# KiCad board omodri_laas.kicad_pcb (continued)
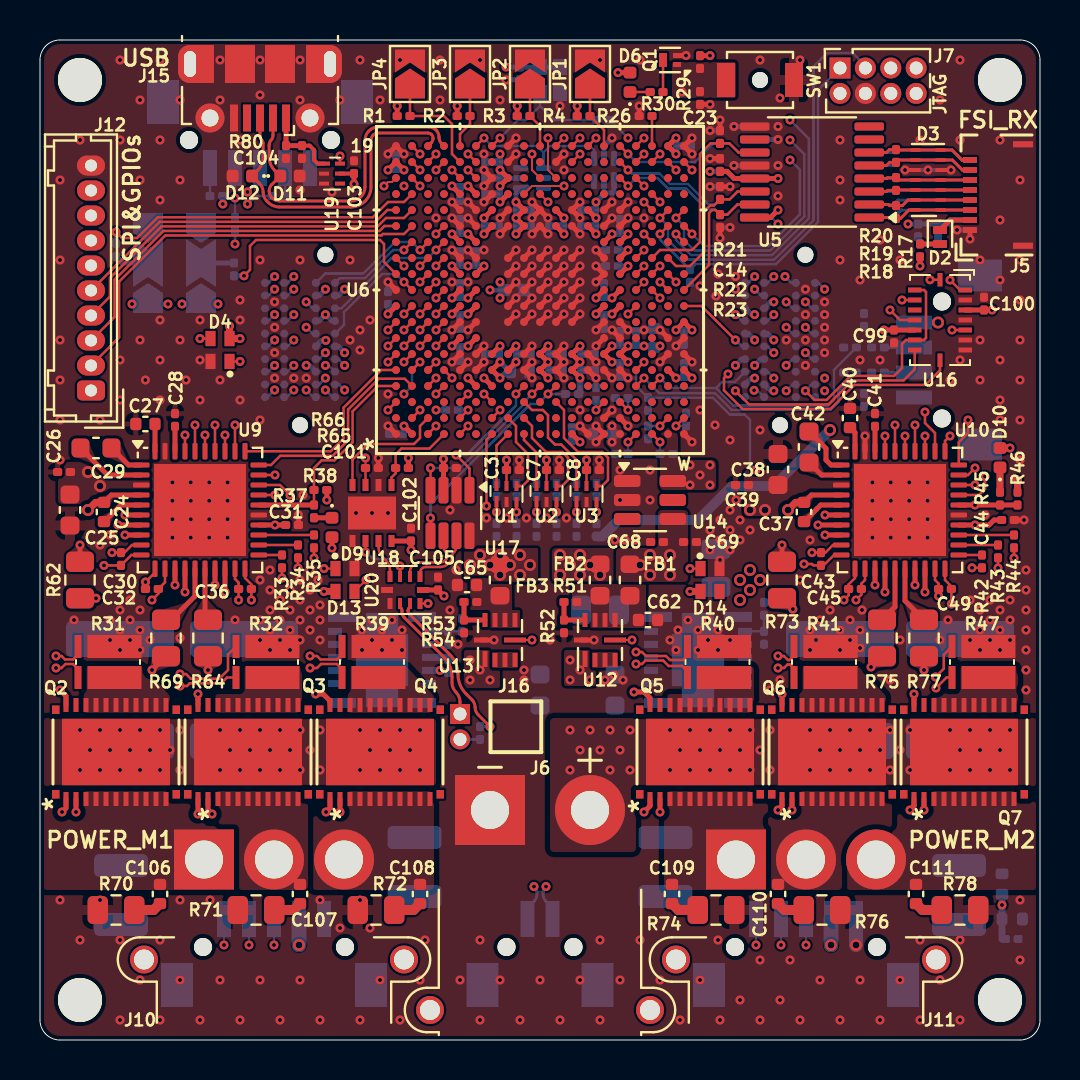
[diagram p0: board, top side]
## Routing (per net, layer and track width the routed paths; a pad name or vN(x,y) marks a point on that pad's centre or on a via; arc(x,y) is an arc through that point) (continued)
/JTAG + CLOCK + RESET/TDI: length 22.8
  Top w0.125: U6.W13 v1(31.8,40.3)
  In4_sigCu w0.125: v1(37.5,46) 38.9,47.4 38.9,48.9 39.35,49.35 43.06,49.35 J7.7
  Bottom w0.125: v1(37.5,46) 38.45,45.05 38.45,41.09 36.61,39.25 32.55,39.25 31.8,40 v1(31.8,40.3)
/JTAG + CLOCK + RESET/TDO: length 20.2
  Top w0.125: U6.W15 v1(31.8,41.1)
  In4_sigCu w0.125: J7.8 42.73,46.25 38.75,46.25 v1(37.5,45)
  Bottom w0.125: v1(37.5,45) 38.22,44.28 38.22,41.18 36.51,39.47 32.73,39.47 32.2,40 32.2,40.7 v1(31.8,41.1)
/JTAG + CLOCK + RESET/TMS: length 19.4
  Top w0.125: U6.W14 v1(32.6,40.3)
  In2_sig.Cu w0.125: v1(37.5,44) 38.9,45.4 38.9,48.9 39.35,49.35 41.79,49.35 J7.5
  Bottom w0.125: v1(37.5,44) 37.99,43.51 37.99,41.28 36.42,39.7 33.2,39.7 v1(32.6,40.3)
/JTAG + CLOCK + RESET/~{TRSTn}: length 18.5
  Top w0.125: U6.V14 v1(31,40.3)
  Bottom w0.125: J7.1 38.9,47.5 38.9,40.9 36.79,38.79 32.77,38.79 R28.1 31,40.02 v1(31,40.3)
/JTAG + CLOCK + RESET/~{XRSn}: length 19
  Top w0.125: U6.F19 v1(22.2,45.1)
  In4_sigCu w0.125: v1(22.2,45.1) 22.9,45.8 31.2,45.8 32.1,46.7 v1(32.1,47.4)
  Bottom w0.125: 25.17,44.38 25.5,44.7 27.5,44.7 27.7,44.5 U7.4 ; 25.17,44.38 24.85,44.7 22.6,44.7 v1(22.2,45.1) ; 25.17,44.38 U8.4
/OMODRI_CAN_RS485/CAN_FD_N: length 3.6
  Top w0.125: U20.2 18.5,23.4 arc(18.54,23.59) 18.64,23.74 arc(18.79,23.84) 18.97,23.88 20,23.88 arc(20.14,23.91) 20.27,23.99 20.29,24.02 arc(20.35,24.1) 20.38,24.21 arc(20.35,24.32) 20.29,24.41 20.28,24.42 arc(20.2,24.54) 20.17,24.67 U17.6
/OMODRI_CAN_RS485/CAN_FD_P: length 3.3
  Top w0.125: U20.1 19,23.35 arc(19.02,23.47) 19.09,23.56 arc(19.18,23.63) 19.3,23.65 20,23.65 arc(20.23,23.7) 20.43,23.83 20.5,23.9 arc(20.57,24.01) 20.6,24.15 arc(20.63,24.29) 20.71,24.41 20.71,24.41 arc(20.8,24.54) 20.83,24.68 U17.7
/OMODRI_CAN_RS485/CAN_FD_RX: length 8.1
  Top w0.125: 19.53,27.75 v1(19.53,28.6) ; U6.K4 v1(24.6,32.3)
  Bottom w0.125: v1(24.6,32.3) 24.3,32 24.3,31.9 21,28.6 v1(19.53,28.6)
/OMODRI_CAN_RS485/CAN_FD_SHDN: length 11.2
  Top w0.125: U6.L4 v1(25.4,32.3) ; U17.5 v1(19.53,26.1)
  Bottom w0.125: v1(19.53,26.1) 19.53,26.8 24.53,31.81 24.91,31.81 v1(25.4,32.3) R61.2
/OMODRI_CAN_RS485/CAN_FD_TX: length 6.9
  Top w0.125: v1(20.8,29.25) 21.47,28.58 21.47,27.75 ; U6.J4 v1(23.8,32.3)
  Bottom w0.125: v1(20.8,29.25) 21.33,29.25 23.8,31.72 v1(23.8,32.3)
/OMODRI_CAN_RS485/CAN_RS485_N: length 21.3
  Top w0.15: J16.1 21,16.91 arc(20.95,17.17) 20.8,17.39 arc(20.65,17.61) 20.6,17.87 20.6,18.16 arc(20.49,18.69) 20.19,19.14 18.21,21.13 arc(18.13,21.25) 18.1,21.39 18.1,21.48 arc(18.09,21.54) 18.05,21.6 arc(18.01,21.66) 18,21.72 U20.7
  In4_sigCu w0.15: v1(25.3,7.67) 25.15,7.82 ; v1(25.3,7.67) 25.22,7.75 arc(25.17,7.83) 25.15,7.93 25.15,14.96 arc(25.02,15.61) 24.66,16.16 arc(24.11,16.52) 23.46,16.65 22.59,16.65 arc(22.36,16.6) 22.16,16.47 arc(21.97,16.35) 21.74,16.3 J16.1 ; v1(25.3,7.67) 25.2,7.77
  Bottom w0.15: J13.2 25.62,6.33 arc(25.57,6.58) 25.43,6.79 25.31,6.92 arc(25.19,7.09) 25.15,7.3 25.15,7.42 arc(25.17,7.51) 25.22,7.6 v1(25.3,7.67)
/OMODRI_CAN_RS485/CAN_RS485_P: length 21.7
  Top w0.15: v1(22.5,15.67) 21.91,16.26 arc(21.8,16.43) 21.76,16.64 arc(21.72,16.84) 21.6,17.01 21.31,17.31 arc(21.01,17.76) 20.9,18.29 arc(20.79,18.82) 20.49,19.27 18.47,21.3 arc(18.42,21.37) 18.4,21.46 18.4,21.48 arc(18.41,21.54) 18.45,21.6 arc(18.49,21.66) 18.5,21.72 U20.8
  In4_sigCu w0.15: v1(24.7,7.67) 24.85,7.82 ; v1(24.7,7.67) 24.77,7.75 arc(24.83,7.83) 24.85,7.93 24.85,14.96 arc(24.74,15.49) 24.44,15.94 arc(23.99,16.24) 23.46,16.35 22.58,16.35 arc(22.47,16.33) 22.38,16.27 arc(22.32,16.18) 22.3,16.07 22.3,16.01 arc(22.33,15.88) 22.4,15.77 v1(22.5,15.67) ; v1(24.7,7.67) 24.8,7.77
  Bottom w0.15: J13.1 24.38,6.33 arc(24.43,6.58) 24.57,6.79 24.69,6.92 arc(24.81,7.09) 24.85,7.3 24.85,7.42 arc(24.83,7.51) 24.77,7.6 v1(24.7,7.67) ; R63.1 v1(22.5,15.67)
/OMODRI_CAN_RS485/CAN_RS485_SEL: length 10.2
  Top w0.125: U6.G1 22.33,30.03 v1(22.33,26.7) ; v1(19.4,21.83) U20.9
  In2_sig.Cu w0.125: v1(19.4,21.83) 19.4,23.78 v1(22.33,26.7)
/OMODRI_CAN_RS485/RS485_N: length 2
  Top w0.125: U20.4 17.5,23.47 arc(17.44,23.75) 17.29,23.99 17.14,24.14 arc(16.98,24.37) 16.92,24.65 U18.7
/OMODRI_CAN_RS485/RS485_P: length 3
  Top w0.125: v1(18,23.7) U20.3 ; v1(16.28,24.4) 16.28,24.95
  Bottom w0.125: v1(18,23.7) 17.83,23.88 arc(17.63,24) 17.4,24.05 16.87,24.05 arc(16.64,24.1) 16.45,24.22 v1(16.28,24.4)
/OMODRI_CAN_RS485/SCI_RX: length 4.5
  Top w0.125: U6.D1 19.47,29.57 18.07,29.57 17.78,29.28 R65.1 17.78,28.33 17.58,28.12 17.58,27.75
/OMODRI_CAN_RS485/SCI_TX: length 6.3
  Top w0.125: U18.4 15.62,29.03 16.4,29.8 18.7,29.8 19,30.1 19,30.7 U6.C2
/OMODRI_CAN_RS485/SCI_TX_EN: length 4.8
  Top w0.102: R66.2 v1(16.28,29.1)
  Top w0.125: U6.A3 v1(17.4,31.5) ; 16.28,27.75 R66.2
  In2_sig.Cu w0.102: v1(16.28,29.1) 16.28,30.38 v1(17.4,31.5)
/OMODRI_COM_SPI_USB/COM_SIMO: length 1.4
  Bottom w0.125: R68.1 J14.5
/OMODRI_COM_SPI_USB/COM_SOMI: length 1.5
  Bottom w0.125: R67.1 12.25,43.7
/OMODRI_COM_SPI_USB/COM_SPI_CLK: length 24.6
  Top w0.102: U6.K16 v1(25.4,41.9)
  In2_sig.Cu w0.102: v1(10.38,42.4) 11.27,43.29 15.31,43.29 17.82,45.8 25.6,45.8 25.8,45.6 25.8,44.9 25.6,44.7 24.4,44.7 24.2,44.5 24.2,43.1 v1(25.4,41.9)
  Bottom w0.125: 11,43.7 11,43.02 v1(10.38,42.4)
/OMODRI_COM_SPI_USB/COM_SPI_SIMO: length 26.9
  Top w0.102: v1(26.2,42.7) 24.6,42.7 U6.J16
  In2_sig.Cu w0.102: v1(26.2,42.7) 27.4,43.9 27.4,45.7 26.89,46.21 17.65,46.21 15.14,43.7 10.3,43.7 9.14,42.54 v1(9.14,41.8)
  Bottom w0.125: 9.14,42.35 v1(9.14,41.8)
/OMODRI_COM_SPI_USB/COM_SPI_SOMI: length 20.4
  Top w0.102: v1(25.4,45.1) 25.4,43.5 U6.L17
  In2_sig.Cu w0.102: v1(10.38,41.8) 11.66,43.09 15.4,43.09 17.91,45.6 24.9,45.6 v1(25.4,45.1)
  Bottom w0.125: R67.2 10.78,42.2 v1(10.38,41.8)
/OMODRI_COM_SPI_USB/USB_GPIO_DETECT: length 5.2
  Top w0.125: U6.B19 v1(19,44.3) ; U19.6 v1(15,44.2)
  In4_sigCu w0.102: v1(19,44.3) 18.6,43.9 16.98,43.9 16.68,44.2 v1(15,44.2)
/OMODRI_COM_SPI_USB/USB_N: length 16.8
  Top w0.15: J15.2 11.65,45.22 arc(11.62,45.1) 11.55,44.99 arc(11.48,44.88) 11.46,44.76 11.46,44.15 arc(11.53,43.79) 11.74,43.48 D11.1 11.59,42.78 arc(11.49,42.63) 11.46,42.45 arc(11.49,42.27) 11.59,42.12 11.61,42.1 arc(11.78,41.99) 11.98,41.95 15.55,41.95 arc(15.82,42) 16.04,42.16 arc(16.2,42.38) 16.25,42.65 16.25,44.99 arc(16.3,45.24) 16.44,45.46 arc(16.66,45.6) 16.91,45.65 19.44,45.65 arc(19.63,45.61) 19.8,45.5 19.81,45.49 arc(19.91,45.33) 19.95,45.15 19.95,45.13 arc(19.98,44.96) 20.08,44.83 U6.D19
/OMODRI_COM_SPI_USB/USB_P: length 16.8
  Top w0.15: U6.C19 19.56,44.86 arc(19.63,44.96) 19.65,45.08 19.65,45.1 arc(19.63,45.19) 19.58,45.27 arc(19.5,45.33) 19.4,45.35 16.84,45.35 arc(16.74,45.31) 16.66,45.24 arc(16.58,45.13) 16.55,44.99 16.55,42.65 arc(16.47,42.27) 16.26,41.94 arc(15.93,41.73) 15.55,41.65 11.98,41.65 arc(11.66,41.71) 11.4,41.89 11.34,41.95 arc(11.2,42.15) 11.16,42.39 arc(11.11,42.62) 10.98,42.82 D12.1 10.88,43.48 arc(11.09,43.79) 11.16,44.15 11.16,44.82 arc(11.14,44.92) 11.08,45.01 arc(11.02,45.1) 11,45.2 J15.3
/OMODRI_COM_SPI_USB/~{COM_SPI_CSn}: length 26.7
  Top w0.102: U6.K17 24.6,43.5 v1(24.6,44.3)
  In2_sig.Cu w0.102: v1(24.6,44.3) 25,43.9 26.4,43.9 26.6,44.1 26.6,45.7 26.29,46.01 17.74,46.01 15.23,43.5 10.7,43.5 9.75,42.55 v1(9.75,42.1)
  Bottom w0.125: R79.1 v1(9.75,42.1) 9.75,43.7
/OMODRI_driver_M1/CPH: length 3.6
  Top w0.25: U9.2 3.38,28.25 C29.1
/OMODRI_driver_M1/CPL: length 1.8
  Top w0.25: U9.1 4.42,28.75 C29.2
/OMODRI_driver_M1/GHA: length 13.4
  Top w0.25: v1(1.1,11.4) 1.3,11.6 Q2.1 ; R62.2 v1(2.8,22.09)
  In4_sigCu w0.25: v1(1.1,11.4) 0.5,12 0.5,16.25 2.6,18.35 2.6,21.89 v1(2.8,22.09)
/OMODRI_driver_M1/GHA_drv: length 4.5
  Top w0.25: v1(2,24.75) R62.1 ; U9.6 v1(4.25,26.25)
  In4_sigCu w0.25: v1(2,24.75) 3.5,26.25 v1(4.25,26.25)
/OMODRI_driver_M1/GHB: length 10.4
  Top w0.25: v1(7.9,11.3) Q3.1 ; 6.3,19.2 R69.2 6.29,19.19 v1(5.6,18.5)
  In4_sigCu w0.25: v1(5.6,18.5) 5.6,18.1 6.5,17.2 7.29,17.2 7.69,16.8 7.7,16.8 7.9,16.6 v1(7.9,11.3)
/OMODRI_driver_M1/GHB_drv: length 3.3
  Top w0.25: R69.1 6.57,21.01 7.75,22.19 U9.15
/OMODRI_driver_M1/GHC: length 13.7
  Top w0.25: Q4.1 14.5,11.6 v1(14.3,11.4) ; v1(8.4,18.5) 8.4,19.09
  In4_sigCu w0.25: v1(14.3,11.4) 14.3,11.41 14.9,12.01 14.9,16.03 14.53,16.4 10.5,16.4 v1(8.4,18.5)
/OMODRI_driver_M1/GHC_drv: length 2.6
  Top w0.25: R64.1 8.25,21.16 U9.16
/OMODRI_driver_M1/GLA: length 11.7
  Top w0.25: U9.8 v1(4.25,25.25) ; 4.26,25.24 4.27,25.25 ; v1(1,17.5) 1.3,17.2 Q2.22
  In4_sigCu w0.25: v1(1,17.5) 2.2,18.7 2.2,22.3 2.49,22.59 3.61,22.59 4.6,23.58 4.6,24.9 v1(4.25,25.25)
/OMODRI_driver_M1/GLB: length 7.3
  Top w0.25: U9.13 v1(6.75,22.75) ; v1(7.9,17.3) Q3.22
  In4_sigCu w0.25: v1(6.75,22.75) 6.75,22.15 7.5,21.4 7.5,17.7 v1(7.9,17.3)
/OMODRI_driver_M1/GLC: length 10.9
  Top w0.25: Q4.22 14.5,16.95 14.15,17.3 v1(13.78,17.3) ; U9.18 v1(9.25,22.4)
  In4_sigCu w0.25: v1(13.78,17.3) 10.87,17.3 9.25,18.92 v1(9.25,22.4)
/OMODRI_driver_M1/SHA: length 19
  Top w0.25: v1(1.8,11.4) Q2.2 ; U9.7 v1(3.9,25.75)
  In4_sigCu w0.25: v1(1.8,11.4) 1.8,11.41 0.9,12.31 0.9,16.08 3,18.18 3,21.41 5,23.41 5,25.21 4.46,25.75 v1(3.9,25.75)
/OMODRI_driver_M1/SHB: length 13.8
  Top w0.25: v1(8.6,11.3) 8.4,11.5 Q3.2 ; U9.14 v1(7.25,22.4)
  In4_sigCu w0.25: v1(8.6,11.3) 8.3,11.6 8.3,16.6 8.5,16.8 8.5,17.5 7.9,18.1 7.9,21.75 v1(7.25,22.4)
/OMODRI_driver_M1/SHC: length 17.9
  Top w0.25: Q4.2 v1(15,11.4) ; U9.17 v1(8.75,22.75)
  In4_sigCu w0.25: v1(8.75,22.75) 8.75,18.86 8.9,18.71 8.9,18.7 10.8,16.8 14.7,16.8 15.3,16.2 15.3,11.7 v1(15,11.4)
/OMODRI_driver_M1/SNA: length 10
  Top w0.125: U9.10 4.57,24.25 C30.2 v1(3.2,23.73) ; R31.3 1.9,19.28 1.65,19.03 1.25,19.03 1.08,19.2 v1(0.8,19.2)
  In4_sigCu w0.125: v1(3.2,23.73) 2.9,23.43 1.73,23.43 1.07,22.77 1.07,19.47 v1(0.8,19.2)
/OMODRI_driver_M1/SNB: length 10.5
  Top w0.125: U9.11 5.75,23.38 v1(5.28,22.9) C32.2 ; R32.3 9.4,19.28 9.4,18.5 8.96,18.06 7.54,18.06 7.3,18.3 7,18.3
  In4_sigCu w0.125: v1(5.28,22.9) 5.99,22.19 5.99,21.51 6.5,21 6.5,18.8 v1(7,18.3)
/OMODRI_driver_M1/SNC: length 9.9
  Top w0.125: v1(10.57,22) C36.2 10.57,22.78 10.25,23.1 U9.20 ; R39.3 15.1,19.28 14.85,19.03 14.03,19.03 13.85,19.2 v1(13.5,19.2)
  In4_sigCu w0.125: v1(10.57,22) 10.57,21.67 10.43,21.53 10.43,19.39 10.82,19 12.92,19 13.12,19.2 v1(13.5,19.2)
/OMODRI_driver_M1/SOA_out: length 2.8
  Top w0.125: R35.2 U9.23
/OMODRI_driver_M1/SOB_out: length 2
  Top w0.125: R34.2 U9.22
/OMODRI_driver_M1/SOC_out: length 1.2
  Top w0.125: R33.2 U9.21
/OMODRI_driver_M1/SPA: length 11.1
  Top w0.125: v1(0.8,18.6) 1.08,18.6 1.28,18.8 1.65,18.8 1.9,18.55 R31.2 ; v1(3.6,24.37) C30.1 4.22,24.37 4.6,24.75 U9.9
  In4_sigCu w0.125: v1(3.6,24.37) 3.6,23.58 3.22,23.2 1.82,23.2 1.3,22.68 1.3,19.1 v1(0.8,18.6)
/OMODRI_driver_M1/SPB: length 9.8
  Top w0.125: U9.12 6.25,22.89 5.92,22.55 5.92,22.31 v1(5.6,22) ; v1(7,17.7) 7.35,17.7 7.49,17.84 9.06,17.84 9.35,18.12 R32.2
  In4_sigCu w0.125: 5.7,21.9 v1(5.6,22) 5.6,21.5 6.27,20.83 6.27,18.43 v1(7,17.7)
/OMODRI_driver_M1/SPC: length 10.3
  Top w0.125: R39.2 15.1,18.55 14.85,18.8 14.05,18.8 13.85,18.6 v1(13.5,18.6) ; v1(9.93,22) C36.1 9.93,22.87 9.75,23.05 U9.19
  In4_sigCu w0.125: v1(13.5,18.6) 13.1,18.6 12.93,18.77 10.73,18.77 10.2,19.3 10.2,21.52 9.93,21.78 v1(9.93,22)
/OMODRI_driver_M1/VCP_DRV: length 2.2
  Top w0.25: U9.5 4.04,26.75 3.21,25.92 C24.2
/OMODRI_driver_M1/VGLS: length 1.4
  Top w0.25: C27.2 U9.40
/OMODRI_driver_M2/CPH: length 1.9
  Top w0.25: C42.1 39.07,28.25 U10.2
/OMODRI_driver_M2/CPL: length 2.6
  Top w0.25: 38.45,30.42 39.3,29.58 39.3,29 39.55,28.75 U10.1
/OMODRI_driver_M2/GHA: length 16.7
  Top w0.25: v1(37.64,21.54) R73.2 ; v1(30.2,11.4) 30.5,11.7 Q5.1
  In4_sigCu w0.25: v1(37.64,21.54) 35.6,19.5 35.6,18.3 34.3,17 31,17 30.2,16.2 v1(30.2,11.4)
/OMODRI_driver_M2/GHA_drv: length 4.4
  Top w0.25: U10.6 v1(39.25,26.25) ; R73.1 v1(37.1,24.75)
  In4_sigCu w0.25: v1(39.25,26.25) 38.6,26.25 v1(37.1,24.75)
/OMODRI_driver_M2/GHB: length 11.5
  Top w0.25: v1(41.55,18.65) 42.09,19.19 R75.2 ; v1(36.9,11.5) 37.1,11.7 Q6.1
  In4_sigCu w0.25: v1(36.9,11.5) 37.2,11.8 37.2,16.1 38,16.9 39.8,16.9 v1(41.55,18.65)
/OMODRI_driver_M2/GHB_drv: length 2.8
  Top w0.25: R75.1 42.75,21.66 U10.15
/OMODRI_driver_M2/GHC: length 10.3
  Top w0.25: Q7.1 43.7,11.7 v1(43.5,11.5) ; v1(44.2,18.5) R77.2
  In4_sigCu w0.25: v1(43.5,11.5) 43.5,11.49 43.99,11 44.41,11 44.8,11.39 44.8,16.06 44.2,16.66 v1(44.2,18.5)
/OMODRI_driver_M2/GHC_drv: length 2.9
  Top w0.25: R77.1 43.25,21.96 U10.16
/OMODRI_driver_M2/GLA: length 17.3
  Top w0.25: Q5.22 30.5,17.1 30.2,17.4 v1(29.7,17.4) ; U10.8 v1(39.25,25.25)
  In4_sigCu w0.25: v1(29.7,17.4) 34.1,17.4 35.2,18.5 35.2,19.81 37.49,22.1 38.53,22.1 39.5,23.07 39.5,25 v1(39.25,25.25)
/OMODRI_driver_M2/GLB: length 10.1
  Top w0.25: U10.13 v1(41.75,22.75) ; v1(37.1,17.3) Q6.22
  In4_sigCu w0.25: v1(41.75,22.75) 41.75,19.6 39.45,17.3 v1(37.1,17.3)
/OMODRI_driver_M2/GLC: length 7
  Top w0.25: v1(43.7,17.3) Q7.22 ; U10.18 v1(44.25,22.4)
  In4_sigCu w0.25: v1(44.25,22.4) 44.25,19.35 43.7,18.8 v1(43.7,17.3)
/OMODRI_driver_M2/SHA: length 23
  Top w0.25: U10.7 v1(38.9,25.75) ; Q5.2 v1(31,11.4)
  In4_sigCu w0.25: v1(31,11.4) 30.6,11.8 30.6,16.03 31.17,16.6 34.47,16.6 36,18.13 36,19.33 37.71,21.04 38.04,21.04 39.9,22.9 39.9,25.31 39.46,25.75 v1(38.9,25.75)
/OMODRI_driver_M2/SHB: length 15.7
  Top w0.25: Q6.2 v1(37.6,11.5) ; U10.14 v1(42.25,22.4)
  In4_sigCu w0.25: v1(42.25,22.4) 42.25,18.6 40.15,16.5 38.17,16.5 37.6,15.93 v1(37.6,11.5)
/OMODRI_driver_M2/SHC: length 13.4
  Top w0.25: U10.17 v1(43.75,22.75) ; v1(44.2,11.5) Q7.2
  In4_sigCu w0.25: v1(43.75,22.75) 43.75,19.45 43.2,18.9 43.2,17.09 44.4,15.89 44.4,11.7 v1(44.2,11.5)
/OMODRI_driver_M2/SNA: length 17.7
  Top w0.125: v1(29.8,19.4) 30.1,19.4 30.3,19.2 31.3,19.2 31.5,19 32.15,19 32.4,19.25 32.4,19.67 ; U10.10 39.7,24.25 39.18,23.73 C43.2 38.67,23.73 38.6,23.8 v1(38.2,23.8)
  In4_sigCu w0.125: v1(38.2,23.8) 37.02,23.8 36.32,24.5 35.19,24.5 33.9,23.21 33.9,22.22 33.41,21.73 31.81,21.73 30.8,20.72 30.8,19.52 30.48,19.2 30.3,19.2 30.1,19.4 v1(29.8,19.4)
/OMODRI_driver_M2/SNB: length 8.8
  Top w0.125: 37.72,19.67 37.72,19.25 37.47,19 37.4,19 37.2,19.2 v1(36.9,19.2) ; v1(40.2,22) 40.43,22.23 C45.2 40.43,22.78 40.75,23.1 U10.11
  In4_sigCu w0.125: v1(36.9,19.2) 37.2,19.2 37.4,19 38.88,19 39.2,19.32 39.2,20.6 40.2,21.6 v1(40.2,22)
/OMODRI_driver_M2/SNC: length 8
  Top w0.125: v1(44.77,18.15) 45.19,18.57 45.19,19.26 R47.3 ; v1(45.57,21.8) C49.2 45.57,22.68 45.25,23 U10.20
  In4_sigCu w0.125: v1(44.77,18.15) 45.85,19.23 45.85,21.52 v1(45.57,21.8)
/OMODRI_driver_M2/SOA_out: length 2.8
  Top w0.125: R44.2 U10.23
/OMODRI_driver_M2/SOB_out: length 2
  Top w0.125: U10.22 R43.2
/OMODRI_driver_M2/SOC_out: length 1.2
  Top w0.125: U10.21 R42.2
/OMODRI_driver_M2/SPA: length 18.4
  Top w0.125: v1(29.8,18.8) 30.1,18.8 30.27,18.97 31.16,18.97 31.43,18.7 32.1,18.7 32.4,18.4 32.4,18.12 ; v1(38.6,24.37) C43.1 39.27,24.37 39.65,24.75 U10.9
  In4_sigCu w0.125: v1(29.8,18.8) 30.1,18.8 30.27,18.97 30.57,18.97 31.03,19.43 31.03,20.63 31.9,21.5 33.5,21.5 34.13,22.13 34.13,23.12 35.28,24.27 36.23,24.27 36.93,23.57 37.68,23.57 37.85,23.4 38.4,23.4 38.6,23.6 v1(38.6,24.37)
/OMODRI_driver_M2/SPB: length 9.3
  Top w0.125: U10.12 41.25,23 41.07,22.82 C45.1 41.07,22.27 v1(40.8,22) ; 37.72,18.12 37.72,18.55 37.5,18.77 37.37,18.77 37.2,18.6 v1(36.9,18.6)
  In4_sigCu w0.125: v1(36.9,18.6) 37.2,18.6 37.38,18.78 38.97,18.78 39.43,19.23 39.43,20.51 40.43,21.51 40.43,21.63 v1(40.8,22)
/OMODRI_driver_M2/SPC: length 8.5
  Top w0.125: U10.19 44.75,23 44.93,22.82 C49.1 v1(44.93,22.2) ; v1(44.8,17.6) 45.32,18.12 R47.2
  In4_sigCu w0.125: v1(44.8,17.6) 46.08,18.88 46.08,21.84 45.72,22.2 v1(44.93,22.2)
/OMODRI_driver_M2/VCP_DRV: length 2.2
  Top w0.25: C37.2 38.21,25.92 38.84,26.54 38.84,26.55 39.04,26.75 U10.5
/OMODRI_driver_M2/VGLS: length 1.3
  Top w0.25: U10.40 40.75,30.37 C40.2
/OMODRI_FSI_RX/FSI_RX_CLK: length 10.3
  Top w0.125: U5.11 34.93,44.38 34.47,44.83 R21.2 33.53,44.83 33,44.3 33,39.9 32.6,39.5 31,39.5 U6.U12
/OMODRI_FSI_RX/FSI_RX_D0: length 7.2
  Top w0.125: U5.14 34.88,42.42 34.48,42.03 R22.2 33.7,41.73 33.51,41.73 33.23,41.45 33.23,39.43 32.5,38.7 31.8,38.7 U6.V12
/OMODRI_FSI_RX/FSI_RX_D1: length 7
  Top w0.125: U5.15 34.87,41.77 34.37,41.27 R23.2 33.77,41.5 33.6,41.5 33.45,41.35 33.45,38.75 U6.W10
/OMODRI_FSI_RX/RX_CLK_LVDS_N: length 5.4
  Top w0.15: U5.5 42.32,43.73 42.48,43.88 R20.2 42.92,44 D3.9 D3.6 45.62,44 46.12,43.5 J5.7
/OMODRI_FSI_RX/RX_CLK_LVDS_P: length 5.3
  Top w0.15: U5.6 42.32,44.38 42.47,44.52 R20.1 42.82,44.5 D3.8 D3.7 45.6,44.5 46.1,44 J5.8
/OMODRI_FSI_RX/RX_D0_LVDS_N: length 5.1
  Top w0.15: J5.6 D3.4 D3.11 42.92,43 R19.2 42.38,43.12 42.34,43.08 41.46,43.08
/OMODRI_FSI_RX/RX_D0_LVDS_P: length 5.1
  Top w0.15: J5.5 D3.3 D3.12 42.82,42.5 R19.1 42.38,42.48 42.32,42.42 U5.3
/OMODRI_FSI_RX/RX_D1_LVDS_N: length 5.2
  Top w0.15: U5.1 42.43,41.12 42.47,41.08 R18.2 43.03,41.08 43.45,41.5 D3.14 D3.1 J5.3
/OMODRI_FSI_RX/RX_D1_LVDS_P: length 5.2
  Top w0.15: U5.2 42.43,41.77 42.48,41.72 R18.1 43.12,41.72 43.4,42 D3.13 D3.2 J5.4
/OMODRI_FSI_TX/FSI_TX_CLK: length 7.6
  Top w0.125: U6.R19 v1(29.4,44.3)
  Bottom w0.125: v1(29.4,44.3) 29.8,43.9 32.75,43.9 33.68,44.83 R16.2 34.47,44.83 34.93,44.38 U4.6
/OMODRI_FSI_TX/FSI_TX_D0: length 8
  Top w0.125: U6.R17 v1(29.4,42.7)
  Bottom w0.125: U4.2 34.88,41.77 34.37,41.27 R14.2 33.72,41.55 33.33,41.55 32.31,42.57 31.41,42.57 30.88,43.1 29.8,43.1 v1(29.4,42.7)
/OMODRI_FSI_TX/FSI_TX_D1: length 7.9
  Top w0.125: v1(29.4,43.5) U6.R18
  Bottom w0.125: U4.3 34.88,42.42 34.48,42.03 R15.2 33.77,41.8 33.4,41.8 32.4,42.8 31.5,42.8 30.97,43.33 29.57,43.33 v1(29.4,43.5)
/OMODRI_FSI_TX/FSI_TX_EN: length 11
  In4_sigCu w0.102: v1(43.4,40.8) v1(36.9,40.8)
  Bottom w0.102: U4.1 36.57,41.12 v1(36.9,40.8)
  Bottom w0.25: v1(43.4,40.8) C12.1 R13.1 45.5,40.8 45.7,41 J4.7
/OMODRI_FSI_TX/TX_CLK_LVDS_N: length 5.4
  Bottom w0.15: U4.12 42.68,43.73 42.95,44 D1.6 D1.9 45.62,44 46.12,43.5 J4.2
/OMODRI_FSI_TX/TX_CLK_LVDS_P: length 5.3
  Bottom w0.15: U4.11 42.68,44.38 42.8,44.5 D1.7 D1.8 45.6,44.5 46.1,44 J4.1
/OMODRI_FSI_TX/TX_D0_LVDS_N: length 5.1
  Bottom w0.15: J4.3 D1.11 D1.4 42.8,43 42.72,43.08 41.46,43.08
/OMODRI_FSI_TX/TX_D0_LVDS_P: length 5.1
  Bottom w0.15: J4.4 D1.12 D1.3 42.8,42.5 42.72,42.42 U4.14
/OMODRI_FSI_TX/TX_D1_LVDS_N: length 5.2
  Bottom w0.15: U4.16 42.68,41.12 43.05,41.5 D1.1 D1.14 J4.6
/OMODRI_FSI_TX/TX_D1_LVDS_P: length 5.1
  Bottom w0.15: J4.5 D1.13 D1.2 42.9,42 42.68,41.77 U4.15
/OMODRI_GPIO/ANALOG_IN1: length 13
  Top w0.125: U6.T4 v1(30.2,33.1)
  Bottom w0.125: C1.1 39.93,32.48 39.93,31.91 39.52,31.5 34.58,31.5 33.73,32.35 30.95,32.35 v1(30.2,33.1)
/OMODRI_GPIO/ANALOG_IN2: length 14.8
  Top w0.125: U6.U4 v1(31,33.1)
  Bottom w0.125: J8.A08 34.74,32.9 34.1,32.9 33.8,32.6 ; v1(31,33.1) 31.5,32.6 33.8,32.6 ; 33.8,32.6 34.67,31.73 39.43,31.73 39.7,32 39.7,33.5 C2.1
/OMODRI_GPIO/BOOT_MODE_0: length 10.8
  Top w0.125: U6.A11 17.2,38.9 17.2,39.8 17,40 10.8,40 10.5,39.7 10.5,38.51 v1(10.2,38.21)
  Bottom w0.25: R59.2 v1(10.2,38.21)
/OMODRI_GPIO/BOOT_MODE_1: length 16.4
  Top w0.125: v1(3.8,40.4) 4.1,40.1 4.85,40.1 5.89,41.13 16.64,41.13 17.4,41.9 18.2,41.9 U6.B16
  Bottom w0.25: R60.2 v1(3.8,40.4)
/OMODRI_GPIO/DBG_GPIO_0: length 20.6
  Top w0.125: J12.2 3.95,35.13 3.95,37.92 6.27,40.23 17.07,40.23 17.14,40.3 18.2,40.3 U6.B14
/OMODRI_GPIO/DBG_GPIO_1: length 18.7
  Top w0.125: U6.A14 17.22,40.7 16.98,40.45 6.17,40.45 3.73,38.01 3.73,36.15 J12.3
/OMODRI_GPIO/DBG_GPIO_2: length 18.8
  Top w0.125: J12.4 3.5,37.17 3.5,38.1 6.08,40.68 16.88,40.68 17.3,41.1 18.2,41.1 U6.B15
/OMODRI_GPIO/DBG_GPIO_3: length 16.9
  Top w0.125: 2.55,37.48 5.98,40.91 16.78,40.91 17.37,41.5 U6.A15
/OMODRI_GPIO/DBG_GPIO_SPI_CS2_n: length 9.5
  Top w0.125: U6.V11 v1(31.8,37.9)
  In2_sig.Cu w0.102: v1(31.8,37.9) 31.8,37.03 32.11,36.71 33.34,36.71 34.31,35.74 34.31,34.44 34.45,34.3 35.8,34.3 36.3,33.8 36.3,33.48 v1(36.69,33.09)
  Bottom w0.125: v1(36.69,33.09) 36.37,33.41 J8.B08
/OMODRI_GPIO/DBG_SPI_CLK: length 60.3
  Top w0.125: U16.8 45,33.49 44.27,32.75 40.72,32.75 39.52,31.55 35.13,31.55 34.2,32.48 34.2,33.1 v1(34.4,33.3) ; U6.B17 v1(19,42.7)
  In2_sig.Cu w0.102: v1(19,42.7) U6.B17 18.6,43.72 18.78,43.9 21.6,43.9 21.8,43.7 21.8,40.9 22,40.7 28.8,40.7 29,40.5 29,38.38 29.61,37.77 29.61,36.98 30.08,36.51 33.25,36.51 34.11,35.65 34.11,33.59 v1(34.4,33.3) 34.7,33 35.19,33 v1(35.7,32.48)
  In4_sigCu w0.102: v1(19,42.7) 18.6,42.3 17.94,42.3 15.94,40.3 5,40.3 3.42,38.73 J12.6
  Bottom w0.125: v1(35.7,32.48) 35.87,32.48 J8.B10
/OMODRI_GPIO/DBG_SPI_SIMO: length 54.5
  Top w0.125: U6.B18 v1(19,43.5) ; U16.9 43.74,33.54 43.18,32.98 40.63,32.98 39.43,31.78 35.45,31.78 v1(34.77,32.46)
  In2_sig.Cu w0.102: v1(19,43.5) 19.4,43.1 19.4,42.5 19.6,42.3 20.8,42.3 21,42.1 21,40.1 21.2,39.9 28.2,39.9 28.8,39.3 28.8,38.29 29.41,37.68 29.41,36.89 29.99,36.31 33.17,36.31 33.91,35.57 33.91,32.88 34.33,32.46 v1(34.77,32.46)
  In4_sigCu w0.102: J12.8 4.38,41.23 4.89,40.71 15.76,40.71 17.8,42.75 17.8,42.95 17.95,43.1 18.6,43.1 v1(19,43.5)
  Bottom w0.125: v1(34.77,32.46) 35.09,32.14 J8.A10
/OMODRI_GPIO/DBG_SPI_SOMI: length 58.1
  Top w0.102: U6.A17 17.6,42.9 17.4,42.9 v1(17.2,42.7)
  Top w0.125: U16.15 44.2,37.5 44.3,37.4 44.3,35.1 44.2,35 U16.10 43.3,35 43.1,34.8 43.1,33.6 42.71,33.21 40.53,33.21 39.33,32.01 38.72,32.01 v1(38.27,32.46)
  In2_sig.Cu w0.102: v1(17.2,42.7) 19.4,40.5 19.4,38.5 19.6,38.3 28.21,38.3 29,37.51 29,36.08 29.18,35.9 33,35.9 33.5,35.4 33.5,32.71 34.42,31.8 37.61,31.8 v1(38.27,32.46)
  In4_sigCu w0.102: v1(17.2,42.7) 17,42.5 17,42.24 15.67,40.91 4.99,40.91 3.42,42.48 2.55,42.48
  Bottom w0.125: J8.D09 38.59,32.78 v1(38.27,32.46)
/OMODRI_GPIO/DRV1_GPIO_EN: length 10.1
  Top w0.125: U6.A5 17.06,33.5 15.18,31.62 15.18,30.08 14.54,29.44 U9.31
/OMODRI_GPIO/DRV2_GPIO_EN: length 23.9
  Top w0.125: v1(45.5,30.2) 45.25,29.95 U10.31 ; U6.U11 v1(31,38.7)
  In2_sig.Cu w0.102: v1(45.5,30.2) 45.99,30.69 45.99,31.52 45.61,31.9 40.61,31.9 39.99,32.52 39.99,37.53 39.42,38.1 37.86,38.1 37.26,38.7 v1(31,38.7)
/OMODRI_GPIO/DRV_SPI_CLK: length 42.8
  Top w0.125: v1(46.75,28.6) 46.4,28.25 U10.29 ; U9.29 v1(11.75,28.25) ; U6.E3 v1(21.4,32.3)
  In2_sig.Cu w0.102: v1(46.75,28.6) 45.94,29.41 34.49,29.41 31.4,32.5 26.3,32.5 24.91,31.11 22.59,31.11 v1(21.4,32.3) 20.7,31.6 20.7,30.58 20.23,30.11 17.91,30.11 17.39,29.59 17.39,28.77 16.87,28.25 v1(11.75,28.25)
/OMODRI_GPIO/DRV_SPI_SIMO: length 41.7
  Top w0.125: U9.28 12,27.75 v1(12.5,27.25) ; U6.E1 v1(21.4,30.7) ; U10.28 v1(46.75,27.75)
  In2_sig.Cu w0.102: v1(46.75,27.75) 45.5,29 34.31,29 31.22,32.09 26.49,32.09 25.1,30.7 v1(21.4,30.7) 20.4,29.7 18.13,29.7 17.8,29.37 17.8,28.6 17.04,27.84 13.09,27.84 v1(12.5,27.25)
/OMODRI_GPIO/DRV_SPI_SOMI: length 44.5
  Top w0.125: v1(47.25,28.17) 47.25,27.55 46.95,27.25 U10.27 ; U6.E2 v1(21.4,31.5) ; U9.27 v1(11.75,27.25)
  In2_sig.Cu w0.102: v1(11.75,27.25) 12.55,28.05 16.96,28.05 17.6,28.68 17.6,29.49 18.01,29.9 20.32,29.9 21.01,30.6 21.01,31.11 v1(21.4,31.5) 22,30.9 25.02,30.9 26.41,32.3 31.3,32.3 34.4,29.2 45.58,29.2 46.61,28.18 ; v1(47.25,28.17) 46.61,28.17
  Bottom w0.125: v1(21.4,31.5) R36.1
/OMODRI_GPIO/ECAT0_INT: length 9.8
  Top w0.125: U6.C11 v1(19,37.9)
  In4_sigCu w0.102: v1(19,37.9) 18.4,37.3 16.34,37.3 14.88,35.84 13.66,35.84 13.49,36.01 13.05,36.01 12.03,35 v1(11.73,35)
  Bottom w0.125: v1(11.73,35) 11.41,34.68 J9.A06
/OMODRI_GPIO/ECAT1_INT: length 3.9
  Top w0.125: U6.W9 33.07,36.7 v1(34.77,35)
  Bottom w0.125: J8.A06 35.09,34.68 v1(34.77,35)
/OMODRI_GPIO/ENC1_CHA: length 2.8
  Top w0.125: U1.6 22.83,29.72 U6.H1
/OMODRI_GPIO/ENC1_CHB: length 4.2
  Top w0.125: U6.H2 23.8,30.7 23.8,29.9 24.4,29.3 24.4,27.97 24.12,27.7 U1.4
/OMODRI_GPIO/ENC1_CHI: length 2.9
  Top w0.125: U6.J1 24.2,30 24.83,29.38 U2.6
/OMODRI_GPIO/ENC2_CHA: length 5.2
  Top w0.125: U2.4 26.1,27.7 26.4,28 26.4,29.12 26.12,29.4 25.3,29.4 24.6,30.1 24.6,30.7 U6.J2
/OMODRI_GPIO/ENC2_CHB: length 5.8
  Top w0.125: U3.6 26.83,29.01 26.06,29.77 25.75,29.77 25.4,30.12 25.4,31.24 25.14,31.5 24.6,31.5 U6.J3
/OMODRI_GPIO/ENC2_CHI: length 6.4
  Top w0.125: U3.4 28.1,27.7 28.4,28 28.4,29.12 28.12,29.4 26.9,29.4 26.2,30.1 26.2,31.5 U6.L3
/OMODRI_GPIO/ESC_I2C_SCL: length 6.8
  Top w0.125: v1(19,39.5) U6.C13
  Bottom w0.125: v1(19,39.5) 18.6,39.9 17.74,39.9 16.16,38.32 14.26,38.32 J9.C01
/OMODRI_GPIO/ESC_I2C_SDA: length 4.7
  Top w0.125: U6.B13 v1(18.2,39.5)
  Bottom w0.125: J9.D01 14.99,38.1 16.26,38.1 17.66,39.5 v1(18.2,39.5)
/OMODRI_GPIO/ESC_LED_ERR: length 12.2
  Top w0.125: v1(20.6,43.5) U6.E17
  In4_sigCu w0.102: v1(12.69,38.17) 16,38.17 16.26,38.43 16.26,39.52 17.65,40.91 18.38,40.91 20,42.52 20,43 20.3,43.3 20.4,43.3 v1(20.6,43.5)
  Bottom w0.125: v1(12.69,38.17) 12.37,37.86 J9.B01
/OMODRI_GPIO/ESC_LED_LINK0_ACTIVE: length 14
  Top w0.125: U6.F18 v1(21.4,44.3)
  In4_sigCu w0.102: v1(21.4,44.3) 20.99,43.89 20.99,43.29 20.8,43.1 20.38,43.1 20.2,42.92 20.2,42.44 18.47,40.71 17.73,40.71 16.46,39.44 16.46,38.34 16.09,37.97 13.12,37.97 v1(12.69,37.54)
  Bottom w0.125: J9.B02 12.37,37.22 v1(12.69,37.54)
